# Altium PCB 脑电采集板V6.0.PcbDoc (part 1 of 2) (continued)
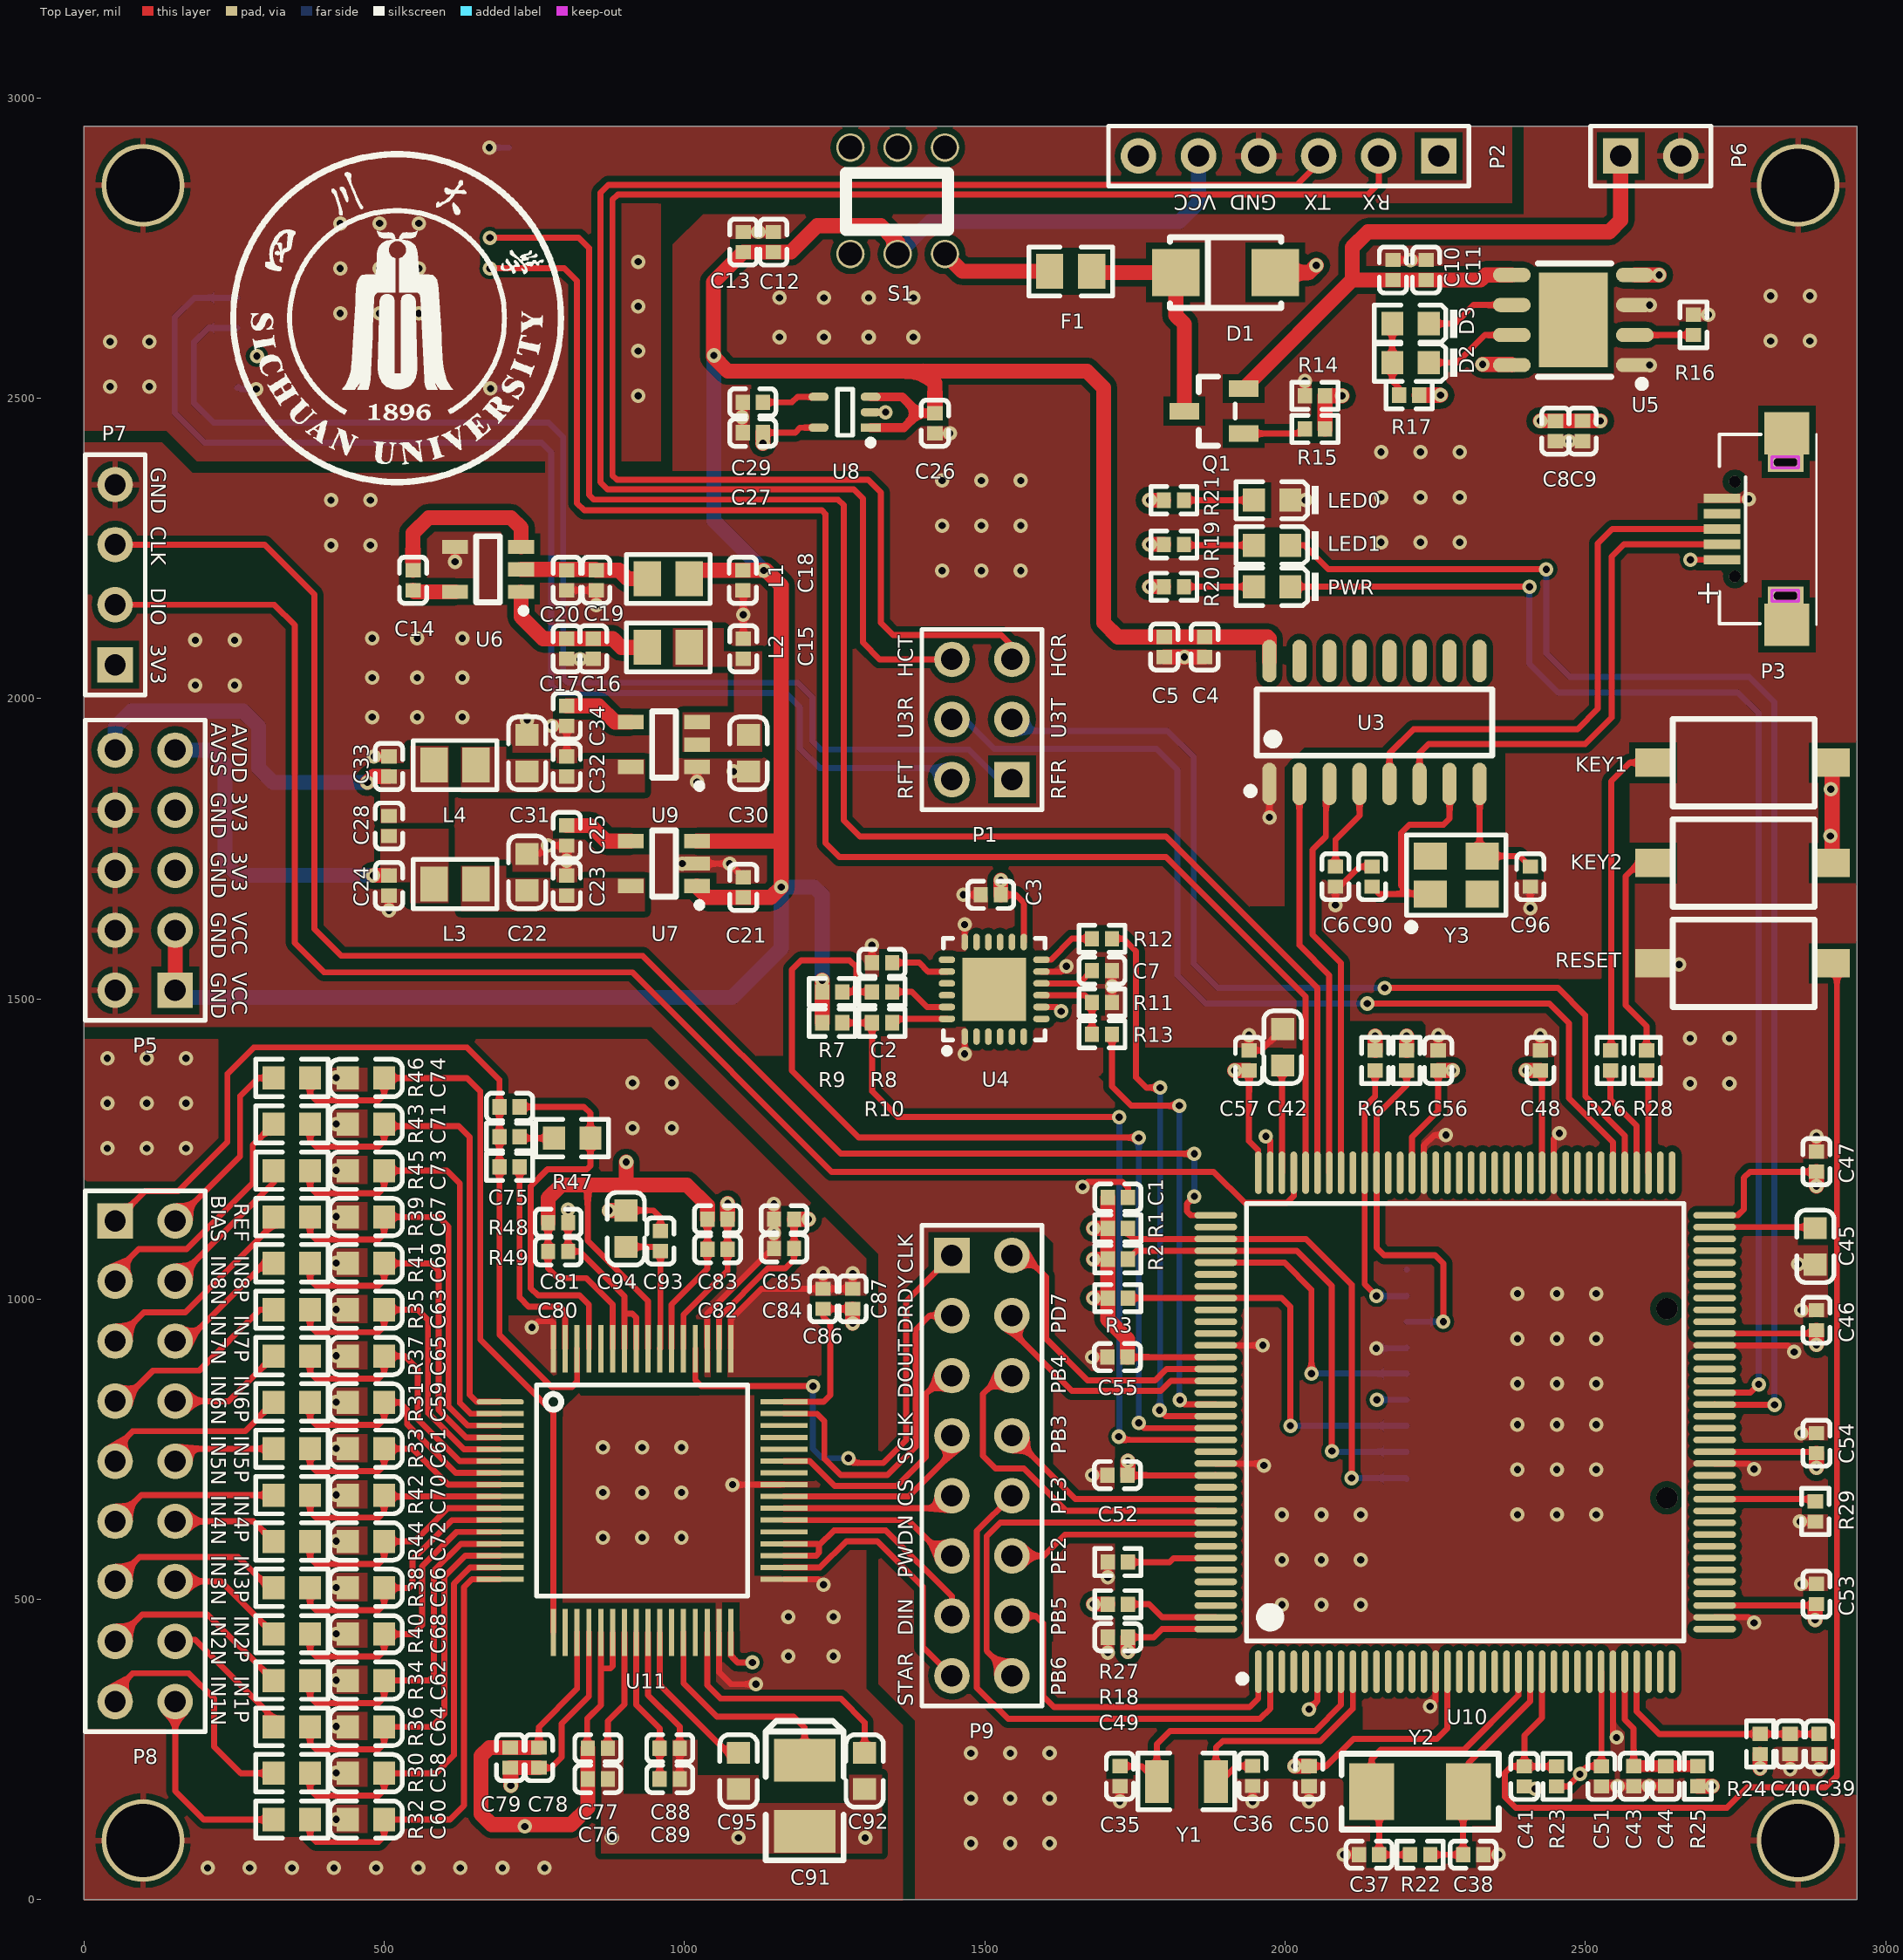
[diagram p0: Top Layer view]
## Footprints (in the part's own frame and the unit in brackets; to place one, negate y for a bottom-side part, rotate by r counter-clockwise, add the part's x,y. Pads: shape width x height; smd on the part's side, far side on the other; paste and mask are expansions set on the pad) (continued)
  rect 4x2.9 smd: 0(0,0)
  oval 0.6x1.6 smd: 1(-1.905,-2.6) 2(-0.635,-2.6) 3(0.635,-2.6) 4(1.905,-2.6) 5(1.905,2.6) 6(0.635,2.6) 7(-0.635,2.6) 8(-1.905,2.6)
  silkscreen extent -2.85,-3.05 2.4,1.5
SOT-23(SOT-23-3) [mm]
  rect 1.25x0.7 smd: 1(1.25,-0.95) 2(1.25,0.95) 3(-1.25,0)
  silkscreen extent -0.65,-1.46 0.9,1.46, body extent -1.5,-1.5 1.5,1.5, height 1.3
SOT-23-5 [mm]
  rect 1.1x0.6 smd: 1(1.4,-0.95) 2(1.4,0) 3(1.4,0.95) 4(-1.4,0.95) 5(-1.4,-0.95)
  silkscreen extent -0.5,-1.87 1.63,1.4
TF_1 [mm]
  round 0.9 hole 0.9 unplated: 0(-0.8,11) 0(7.2,11)
  rect 0.85x2 smd: 1(0,0)
  rect 0.8x2 smd: 2(1.15,0) 3(2.25,0) 4(3.35,0) 5(4.45,0) 6(5.55,0) 7(6.65,0) 8(7.75,0) 9(8.85,0)
  rect 1.5x2 smd: 10(-5.5,10.6) 12(10.45,1)
  rect 2x2 smd: 11(-4.8,1)
  rect 1.4x2 smd: 13(10,10.6)
  silkscreen extent -4.87,0.36 9.49,16, body extent -5.85,0 10.25,15, height 1.85

## Part data
C1 C3 C5 C6 C7 C8 C11 C12 C28 C46 C47 C48 C49 C50 C51 C52 C53 C54 C55 C56 C57 C89 C93: library part "0402 100nF (104) 10% 16V", "贴片电容", Package=0402, SuppliersPartNumber=C1525, ComponentLink1Description=供应商, ComponentLink1URL=http://www.szlcsc.com/product/details_1877.html, Supplier=LC
C2 C4 C9 C10 C13 C15 C17 C18 C20 C23 C24 C32 C33 C88: library part "0402 10uF (106) 20% 6.3V", "贴片电容", Package=0402, SuppliersPartNumber=C15525, ComponentLink1Description=供应商, ComponentLink1URL=http://www.szlcsc.com/product/details_16204.html, Supplier=LC
C14 C16 C19 C21 C25 C26 C27 C92 C94 C95: library part "0603 1uF (105) 10% 50V", "贴片电容", Package=0603, SuppliersPartNumber=C15849, ComponentLink1Description=供应商, ComponentLink1URL=http://www.szlcsc.com/product/details_16531.html, Supplier=LC
C22 C30 C31 C42 C45: library part "0603 2.2uF (225) 10% 16V", "贴片电容", Package=0603, SuppliersPartNumber=C23630, ComponentLink1Description=供应商, ComponentLink1URL=http://www.szlcsc.com/product/details_24366.html, Supplier=LC
C29 C34 C75: library part "0402 10nF (103) 10% 50V", "贴片电容", Package=0402, SuppliersPartNumber=C15195, ComponentLink1Description=供应商, ComponentLink1URL=http://www.szlcsc.com/product/details_15869.html, Supplier=LC
C35 C36: library part "0603 10pF (100) 5% 50V", "贴片电容", Package=0603, SuppliersPartNumber=C1634, ComponentLink1Description=供应商, ComponentLink1URL=http://www.szlcsc.com/product/details_1986.html, Supplier=LC
C37 C38: library part "0603 22pF (220) 5% 50V", "贴片电容", Package=0603, SuppliersPartNumber=C1653, ComponentLink1Description=供应商, ComponentLink1URL=http://www.szlcsc.com/product/details_2005.html, Supplier=LC
C39 C43: library part "0603 10uF (106) 10% 10V", "贴片电容", Package=0603, SuppliersPartNumber=C19702, ComponentLink1Description=供应商, ComponentLink1URL=http://www.szlcsc.com/product/details_20411.html, Supplier=LC
C40 C41 C44: library part "0603 100nF (104) 10% 50V", "贴片电容", Package=0603, SuppliersPartNumber=C14663, ComponentLink1Description=供应商, ComponentLink1URL=http://www.szlcsc.com/product/details_15331.html, Supplier=LC
C58 C59 C60 C61 C62 C63 C64 C65 C66 C67 C68 C69 C70 C71 C72 C73 C74: library part "0402 4.7nF (472) 10% 50V", "贴片电容", Package=0402, SuppliersPartNumber=C1538, ComponentLink1Description=供应商, ComponentLink1URL=http://www.szlcsc.com/product/details_1890.html, Supplier=LC
C76 C77 C78 C79 C80 C81 C82 C83 C84 C85 C86 C87: library part "0603 10nF (103) 10% 50V", "贴片电容", Package=0603, SuppliersPartNumber=C57112, ComponentLink1Description=供应商, ComponentLink1URL=http://www.szlcsc.com/product/details_58143.html, Supplier=LC
C90 C96: library part "0402 22pF (220) 5% 50V", "贴片电容", Package=0402, SuppliersPartNumber=C1555, ComponentLink1Description=供应商, ComponentLink1URL=http://www.szlcsc.com/product/details_1907.html, Supplier=LC
C91: library part "3528 100uF (107) 10% 6.3V", "钽电容", Package=3528, SuppliersPartNumber=C16133, ComponentLink1Description=供应商, ComponentLink1URL=http://www.szlcsc.com/product/details_16815.html, Supplier=LC
D1: library part "SMA(DO-214AC) SS210", "二极管", Package=SMA(DO-214AC), SuppliersPartNumber=C14996, ComponentLink1Description=供应商, ComponentLink1URL=http://www.szlcsc.com/product/details_15669.html, Supplier=LC
D2 LED0: library part "0603 红灯", "发光二极管", Package=0603, SuppliersPartNumber=C2286, ComponentLink1Description=供应商, ComponentLink1URL=http://www.szlcsc.com/product/details_2659.html, Supplier=LC
D3 LED1 PWR: library part "0603 绿灯", "发光二极管", Package=0603, SuppliersPartNumber=C72043, ComponentLink1Description=供应商, ComponentLink1URL=http://www.szlcsc.com/product/details_73152.html, Supplier=LC
F1: library part "Fuse 2", "Fuse", LatestRevisionDate=17-Jul-2002, LatestRevisionNote="Re-released for DXP Platform.", PackageDescription="Thru-Hole; 2 Leads", PackageReference=PIN-W2/E2.8, Published=8-Jun-2000, Publisher="Altium Limited"
KEY1 KEY2 RESET S1: "Switch", LatestRevisionDate=17-Jul-2002, LatestRevisionNote="Re-released for DXP Platform.", PackageDescription="Switch; 2 Leads", PackageReference=SPST-2, Published=24-Mar-1999, Publisher="Altium Limited"
L1 L2 L3 L4: library part "0805 3.3uH10%", "贴片电感", Package=0805, SuppliersPartNumber=C51725, ComponentLink1Description=供应商, ComponentLink1URL=http://www.szlcsc.com/product/details_52738.html, Supplier=LC
P1: library part "Header 3X2", "Header, 3-Pin, Dual row", LatestRevisionDate=17-Jul-2002, LatestRevisionNote="Re-released for DXP Platform.", Publisher="Altium Limited"
P2: library part "Header 6", "Header, 6-Pin", LatestRevisionDate=17-Jul-2002, LatestRevisionNote="Re-released for DXP Platform.", Publisher="Altium Limited"
P3: library part "Header 5", "Header, 5-Pin", LatestRevisionDate=17-Jul-2002, LatestRevisionNote="Re-released for DXP Platform.", Publisher="Altium Limited"
P5: library part "Header 5X2", "Header, 5-Pin, Dual row", LatestRevisionDate=17-Jul-2002, LatestRevisionNote="Re-released for DXP Platform.", Publisher="Altium Limited"
P6: library part "Header 2", "Header, 2-Pin", LatestRevisionDate=17-Jul-2002, LatestRevisionNote="Re-released for DXP Platform.", Publisher="Altium Limited"
P7: library part "Header 4", "Header, 4-Pin", LatestRevisionDate=17-Jul-2002, LatestRevisionNote="Re-released for DXP Platform.", Publisher="Altium Limited"
P8: "Header, 9-Pin, Dual row", LatestRevisionDate=17-Jul-2002, LatestRevisionNote="Re-released for DXP Platform.", Publisher="Altium Limited"
P9: "Header, 8-Pin, Dual row", LatestRevisionDate=17-Jul-2002, LatestRevisionNote="Re-released for DXP Platform.", Publisher="Altium Limited"
Q1: "MOS(场效应管)", Package=SOT-23(SOT-23-3), SuppliersPartNumber=C8492, ComponentLink1Description=供应商, ComponentLink1URL=http://www.szlcsc.com/product/details_8986.html, Supplier=LC
R1 R2 R3 R5 R6: library part "0402 47KΩ (4702) 1%", "贴片电阻", Package=0402, SuppliersPartNumber=C25792, ComponentLink1Description=供应商, ComponentLink1URL=http://www.szlcsc.com/product/details_26535.html, Supplier=LC
R7 R9: library part "0402 4.7KΩ (4701) 1%", "贴片电阻", Package=0402, SuppliersPartNumber=C25900, ComponentLink1Description=供应商, ComponentLink1URL=http://www.szlcsc.com/product/details_26643.html, Supplier=LC
R8 R10 R12 R13: library part "0402 120Ω (1200) 1%", "贴片电阻", Package=0402, SuppliersPartNumber=C25079, ComponentLink1Description=供应商, ComponentLink1URL=http://www.szlcsc.com/product/details_25822.html, Supplier=LC
R11: library part "0402 10KΩ (1002) 1%", "贴片电阻", Package=0402, SuppliersPartNumber=C25744, ComponentLink1Description=供应商, ComponentLink1URL=http://www.szlcsc.com/product/details_26487.html, Supplier=LC
R14 R15: library part "0402 100KΩ (1003) 1%", "贴片电阻", Package=0402, SuppliersPartNumber=C25741, ComponentLink1Description=供应商, ComponentLink1URL=http://www.szlcsc.com/product/details_26484.html, Supplier=LC
R16: library part "0402 1.2KΩ (1201) 1%", "贴片电阻", Package=0402, SuppliersPartNumber=C25862, ComponentLink1Description=供应商, ComponentLink1URL=http://www.szlcsc.com/product/details_26605.html, Supplier=LC
R17: library part "0402 1KΩ (1001) 1%", "贴片电阻", Package=0402, SuppliersPartNumber=C11702, ComponentLink1Description=供应商, ComponentLink1URL=http://www.szlcsc.com/product/details_12256.html, Supplier=LC
R18: library part "0603 0Ω (0R0) 1%", "贴片电阻", Package=0603, SuppliersPartNumber=C21189, ComponentLink1Description=供应商, ComponentLink1URL=http://www.szlcsc.com/product/details_21903.html, Supplier=LC
R19 R20: library part "0603 510Ω (5100) 1%", "贴片电阻", Package=0603, SuppliersPartNumber=C23193, ComponentLink1Description=供应商, ComponentLink1URL=http://www.szlcsc.com/product/details_23920.html, Supplier=LC
R21: library part "0603 1KΩ (1001) 1%", "贴片电阻", Package=0603, SuppliersPartNumber=C21190, ComponentLink1Description=供应商, ComponentLink1URL=http://www.szlcsc.com/product/details_21904.html, Supplier=LC
R22: library part "0603 1.2MΩ (1204) 1%", "贴片电阻", Package=0603, SuppliersPartNumber=C22766, ComponentLink1Description=供应商, ComponentLink1URL=http://www.szlcsc.com/product/details_23493.html, Supplier=LC
R23 R24 R25 R26 R27 R28 R29: library part "0603 10Ω (10R0) 1%", "贴片电阻", Package=0603, SuppliersPartNumber=C22859, ComponentLink1Description=供应商, ComponentLink1URL=http://www.szlcsc.com/product/details_23586.html, Supplier=LC
R30 R31 R32 R33 R34 R35 R36 R37 R38 R39 R40 R41 R42 R43 R44 R45 R46: library part "0603 4.99KΩ (4991) 1%", "贴片电阻", Package=0603, SuppliersPartNumber=C23046, ComponentLink1Description=供应商, ComponentLink1URL=http://www.szlcsc.com/product/details_23773.html, Supplier=LC
R47: library part "0603 390KΩ (3903) 1%", "贴片电阻", Package=0603, SuppliersPartNumber=C23150, ComponentLink1Description=供应商, ComponentLink1URL=http://www.szlcsc.com/product/details_23877.html, Supplier=LC
R48: library part "0402 2KΩ (2001) 1%", "贴片电阻", Package=0402, SuppliersPartNumber=C4109, ComponentLink1Description=供应商, ComponentLink1URL=http://www.szlcsc.com/product/details_4516.html, Supplier=LC
R49: library part "0402 0Ω (0R0) 1%", "贴片电阻", Package=0402, SuppliersPartNumber=C17168, ComponentLink1Description=供应商, ComponentLink1URL=http://www.szlcsc.com/product/details_17853.html, Supplier=LC
U3: library part CH340G_[C14267], "USB", Package=SOIC-16_150mil, SuppliersPartNumber=C14267, ComponentLink1Description=供应, ComponentLink1URL=http://www.szlcsc.com/product/details_14927.html, Supplier=LC
U4: library part MPU-6050_[C24112], "传感器", Package=QFN-24_4x4x05P, SuppliersPartNumber=C24112, ComponentLink1Description=供应商, ComponentLink1URL=http://www.szlcsc.com/product/details_24852.html, Supplier=LC
U5: library part TP4056_[C16581], "电池电源管理", Package=SOP-8_EP_150mil, SuppliersPartNumber=C16581, ComponentLink1Description=供应商, ComponentLink1URL=http://www.szlcsc.com/product/details_17264.html, Supplier=LC
U10: "ARM", Package=LQFP-144_20x20x05P, SuppliersPartNumber=C46525, ComponentLink1Description=供应商, ComponentLink1URL=http://www.szlcsc.com/product/details_47529.html, Supplier=LC
Y1: library part "SMD-3215_2P 32.768KHz 20ppm 12.5pF", "贴片晶振", Package=SMD-3215_2P, SuppliersPartNumber=C32346, ComponentLink1Description=供应商, ComponentLink1URL=http://www.szlcsc.com/product/details_33310.html, Supplier=LC
Y2: library part "SMD-5032_2P 8MHz 20ppm 20pF", "贴片晶振", Package=SMD-5032_2P, SuppliersPartNumber=C115962, ComponentLink1Description=供应商, ComponentLink1URL=http://www.szlcsc.com/product/details_117214.html, Supplier=LC
Y3: library part "SMD-3225_4P  12MHZ 20PF 10PPM", "贴片晶振", Package=SMD-3225_4P, SuppliersPartNumber=C9002, ComponentLink1Description=供应, ComponentLink1URL=http://www.szlcsc.com/product/details_9522.html, Supplier=LC

## Free pads (board coordinates)
  round 137.8 hole 122.05: 14(98.43,98.43) 14(98.43,2854.33) 14(2854.33,98.43) 14(2854.33,2854.33)

## Via types
v1: diameter 24, hole 12, Top Layer to Bottom Layer, tented both sides, 321 vias

## Nets (pads, with @x,y where several pads share a name; then routed paths per layer and width w, separated by ;. In a path a pad name is that pad's centre, name@x,y a point inside that pad or via, vN(x,y) a via of type N, cw(c..) or ccw(c..) an arc to the next point about the centre after c; other vN are vias at no path point)
-VCC: C15.2 C30.2 L2.2 U9.2 U9.3
AGND: C1.1 C2.2 C3.2 C4.2 C5.2 C6.2 C7.1 C8.1 C9.1 C10.1 C11.1 C12.1 C13.1 C15.1 C16.1 C17.1 C18.1 C19.1 C20.1 C21.1 C22.1 C23.1 C24.1 C25.1 C26.1 C27.1 C29.1 C30.1 C31.1 C32.1 C33.1 C34.1 C35.1 C36.1 C37.1 C38.1 C39.2 C40.2 C41.1 C42.1 C43.1 C44.1 C45.1 C46.1 C47.1 C48.1 C49.1 C50.1 C51.1 C52.1 C53.1 C54.1 C55.1 C56.1 C57.1 C58.1 C59.1 C60.2 C61.2 C62.1 C63.1 C64.2 C65.2 C66.1 C67.1 C68.2 C69.2 C70.1 C71.1 C72.2 C73.2 C74.1 C84.2 C85.2 C86.2 C87.2 C90.1 C96.1 LED0.K P2.4 P3.5 P5.2 P5.4 P5.6 P5.8 P6.2 P7.4 pad.14 R11.2 R14.2 R16.1 R27.1 R29.1 RESET.2 U1.1 U1.9 U1.16 U2.6 U3.1 U4.1 U4.11 U4.18 U5.1 U5.3 U6.4 U7.2 U8.2 U9.1 U10.16 U10.31 U10.38 U10.51 U10.61 U10.83 U10.94 U10.107 U10.120 U10.130 U11.31 U11.33 U11.41 U11.49 U11.51 U11.64 | length 4380.6
  Top Layer w10: v1(483.11,1903.46) C33.1@507.96,1903.46 ; v1(507.96,1647) C24.1@507.96,1671.85 ; v1(617.88,2227.55) U6.4@617.88,2252.4 ; C22.1@737.96,1740.95 758.79,1740.95 v1(772.84,1755) C25.1@804.02,1755 v1(804.02,1730.16) C23.1@804.02,1705.31 ; C31.1@737.96,1939.09 v1(737.96,1963.95) ; v1(746,953) 756,963 779,963 781.84,960.16 U11.64@781.84,917.44 ; v1(779.17,1954.21) C34.1@804.02,1954.21 C32.1@804.02,1903.46 ; C17.1@804.02,2065.91 C16.1@847.96,2065.91 ; C20.1@804.02,2180 C19.1@853,2180 v1(853,2155.15) ; v1(996.08,1725) U7.2@1020.93,1725 v1(1075.15,1725) C21.1@1098,1702.15 ; v1(1020.93,1860.9) U9.1@1020.93,1885.75 ; U11.51@1037.74,917.44 1037.74,975.74 1146.57,1084.57 C84.2@1149.05,1084.57 v1(1149.05,1110.09) C85.2@1149.05,1133 v1(1149.05,1158.52) ; U11.31@1057.43,445 1057.43,378.58 1077,359 v1(1119,359) ; U11.49@1077.11,917.44 1077.11,966.48 1127.82,1017.2 C86.2@1231,1017.2 ; v1(1080,691) 1080.06,691.06 U11.41@1165.69,691.06 ; v1(1081.61,1878.46) C30.1@1106.46,1878.46 ; C18.1@1097,2180 1098,2179 v1(1098,2139.19) C15.1@1098,2099.37 ; C27.1@1097.02,2442.5 C29.1@1097.02,2493 ; C13.1@1098,2776.54 v1(1122.96,2776.54) 1147.92,2776.54 C12.1@1148,2776.46 ; U11.33@1165.69,533.58 1222.14,533.58 v1(1231.34,524.39) ; v1(1231,1042.72) C86.2@1231,1017.2 ; v1(1280,1042.72) C87.2@1280,1017.2 C86.2@1231,1017.2 ; U8.2@1310,2476.51 v1(1334.85,2476.51) ; v1@1312,1581 v1@1312.27,1581.27 ; C2.2@1312.27,1560 v1@1312.27,1581.27 ; v1(1312.27,1589) v1@1312.27,1581.27 ; C26.1@1417,2441.51 v1(1441.85,2441.51) ; v1(1464.27,1673) v1@1472,1673 ; v1@1466.27,1615.49 v1@1466.54,1615.76 ; v1(1466.54,1408.01) v1@1466.54,1415.74 ; U4.1@1466.54,1437.01 v1@1466.54,1415.74 ; U4.18@1466.54,1594.49 v1@1466.54,1615.76 ; v1(1466.54,1623.49) v1@1466.54,1615.76 ; v1@1466.8,1416.01 v1@1466.54,1415.74 ; v1@1472.27,1672.73 v1@1472,1673 ; C3.2@1493.27,1673 v1@1472,1673 ; U4.11@1594.49,1545.28 1627.28,1545.28 v1(1636,1554) ; v1(1663,1187) 1671,1195 1729,1195 1738.46,1185.54 C1.1@1738.46,1169 C1.1@1741.46,1172 ; v1(1678.75,707) C52.1@1704.27,707 ; v1(1678.75,903.27) C55.1@1704.27,903.27 ; v1(1705,411.48) C49.1@1705,437 ; v1(1705,536.48) R27.1@1705,562 ; R11.2@1712,1494 v1(1712,1520.5) C7.1@1712,1547 ; v1(1725,163.42) C35.1@1725,188.94 ; U10.130@1884.65,726.1 1961.9,726.1 v1(1965,723) ; U10.120@1884.65,922.95 v1(1963.05,922.95) ; v1(1940,1439.52) C57.1@1940,1414 1960.37,1414 C42.1@1996,1449.63 ; v1(1946,163.75) C36.1@1946,189.27 ; v1(1968,1271) 1975.2,1263.8 U10.107@1975.2,1210.35 ; v1(1974,1802) U3.1@1974,1857.64 ; LED0.K@2008.93,2330 v1(2033.78,2330) ; R14.2@2033.2,2504 v1(2033.2,2528.85) ; v1(2040,163.42) C50.1@2040,188.94 ; v1(2084,1656) C6.2@2084,1686.54 2090.7,1686.54 2124.16,1720 C90.1@2145,1720 ; v1(2097.75,75) C37.1@2123.27,75 ; C10.1@2179.61,2730 v1(2209,2730) C11.1@2234.73,2730 ; U10.94@2231.1,1210.35 2231.1,1255.8 2248.3,1273 v1(2268,1273) ; v1(2241.39,322) 2250.79,331.4 U10.16@2250.79,379.65 ; C56.1@2255,1414 v1(2255,1439.52) ; C38.1@2330,75 v1(2355.52,75) ; C41.1@2398.52,188.54 2402.46,184.6 v1(2416.52,184.6) ; v1(2408.27,1651) C96.1@2408.27,1686.54 ; C48.1@2425,1414 v1(2425,1439.52) ; U10.83@2447.64,1210.35 2447.64,1266.8 v1(2456.83,1276) ; C8.1@2450.27,2428.44 v1(2472.75,2428.44) 2495.23,2428.44 C9.1@2495.27,2428.48 ; C51.1@2526.96,188.94 v1(2553.7,188.94) C43.1@2580.44,188.94 C44.1@2633.92,188.94 ; U10.31@2546.06,379.65 2546.06,275.94 v1(2552,270) ; U5.1@2582.36,2555 v1(2607.21,2555) ; U5.3@2582.36,2655 v1(2607.21,2655) ; RESET.2@2613,1559 2615,1557 v1(2656,1557) ; R16.1@2680,2638.73 v1(2704.85,2638.73) ; U10.38@2715.35,470.2 2771.8,470.2 v1(2781,461) ; U10.51@2715.35,726.1 2771.8,726.1 v1(2781,716.91) ; U10.61@2715.35,922.95 2837.05,922.95 v1(2848,912) ; P3.5@2727.39,2333.18 2728.57,2332 v1(2772,2332) ; v1(2841,217.02) C40.2@2841,242.54 ; v1(2854.48,1058) C45.1@2880,1058 ; v1(2857.48,629.54) R29.1@2883,629.54 ; v1(2859.48,525.73) C53.1@2885,525.73 ; v1(2859.48,776.73) C54.1@2885,776.73 ; v1(2859.48,981.46) C46.1@2885,981.46 ; C47.1@2885,1245.46 v1(2885,1270.98) ; v1(2889.43,217.02) C39.2@2889.43,242.54
  Top Layer w25: C5.2@1799,2069 C4.2@1866,2069
  Bottom Layer w10: U1.16@255.24,2517 257.24,2519 261.24,2515 v1(287,2515) ; v1(675,2917) U1.1@708,2917 ; v1(677,2516) 707,2516 U1.9@708,2517 ; v1(2152,918) 2201.89,918 U2.6@2202.93,919.04
  other v1: 206,53 276.12,53 346.25,53 416.38,53 486.5,53 556.62,53 626.75,53 696.88,53 767,53 1477,94 1542.5,94 1608,94 420,134 1477,169 1542.5,169 1608,169 2606,189.27 420,211.17 1477,244 1542.5,244 1608,244 420,288.33 420,365.5 1173,405.5 1248,405.5 420,442.67 1173,471 1248,471 1995,491 2060.5,491 2126,491 420,519.83 1995,566 2060.5,566 2126,566 420,597 864,603 929.5,603 995,603 1995,641 2060.5,641 2126,641 2387,641.08 2452.5,641.08 2518,641.08 420,674.17 864,678 929.5,678 995,678 2387,716.08 2452.5,716.08 2518,716.08 420,751.33 864,753 929.5,753 995,753 2387,791.08 2452.5,791.08 2518,791.08 420,828.5 2387,859.04 2452.5,859.04 2518,859.04 420,905.66 2387,934.04 2452.5,934.04 2518,934.04 420,982.83 2387,1009.04 2452.5,1009.04 2518,1009.04 420,1060 420,1137.16 420,1214.33 39,1251 104.5,1251 170,1251 913.5,1285 979,1285 420,1291.5 39,1326 104.5,1326 170,1326 2674.5,1359.02 2740,1359.02 913.5,1360 979,1360 420,1368.66 39,1401 104.5,1401 170,1401 2674.5,1434.02 2740,1434.02 480,1969 555,1969 630,1969 185.5,2022.02 251,2022.02 480,2034.5 555,2034.5 630,2034.5 826,2065 1832.5,2069 185.5,2097.02 251,2097.02 480,2100 555,2100 630,2100 1429,2212.73 1494.5,2212.73 1560,2212.73 411.5,2255 477,2255 2160,2260 2225.5,2260 2291,2260 1429,2287.73 1494.5,2287.73 1560,2287.73 411.5,2330 477,2330 2160,2335 2225.5,2335 2291,2335 1429,2362.73 1494.5,2362.73 1560,2362.73 2160,2410 2225.5,2410 2291,2410 1096,2468 923,2504 43.5,2519 109,2519 923,2578.33 43.5,2594 109,2594 2808.5,2595 2874,2595 1158,2601.5 1232.33,2601.5 1306.67,2601.5 1381,2601.5 426.78,2641 492.28,2641 557.78,2641 923,2652.67 1158,2667 1232.33,2667 1306.67,2667 1381,2667 2808.5,2670 2874,2670 426.78,2716 492.28,2716 557.78,2716 923,2727 426.78,2791 492.28,2791 557.78,2791
AVDD: C24.2 C28.2 C76.1 C77.1 C78.1 C79.1 C80.1 C81.1 C82.1 C83.1 L3.2 P5.9 U11.19 U11.21 U11.22 U11.54 U11.56 U11.59 | length 2756.9
  Top Layer w10: C78.1@757.68,253.19 757.68,287.68 821.2,351.2 U11.19@821.2,445 ; C81.1@772.84,1127.26 C80.1@772.84,1079.41 772.84,1051.16 789,1035 836,1035 880.26,990.74 U11.59@880.26,917.44 ; C77.1@838.95,252.21 837.97,253.19 837.97,300.97 860.57,323.58 860.57,385 ; 839,1190 839,1097.1 939.32,996.78 U11.56@939.32,917.44 ; U11.21@860.57,445 860.57,385 ; U11.22@880.26,445 880.26,389.26 876,385 860.57,385 ; U11.54@978.68,917.44 978.68,990.68 1038.27,1050.27 C82.1@1038.27,1083 C83.1@1038.27,1133
  Top Layer w25: v1(481.68,1705.32) C24.2@507.96,1705.32 ; C78.1@757.68,253.19 C79.1@709.81,253.19 675.19,253.19 661,239 661,143 679,125 811,125 838.95,152.95 C76.1@838.95,201 C77.1@838.95,252.21 ; C81.1@772.84,1127.26 772.84,1167.84 795,1190 839,1190 903,1190 ; v1(903,1228) 903,1190 ; C83.1@1038.27,1133 1038.27,1155.73 1004,1190 903,1190
  Bottom Layer w25: P5.9@152,1914 211,1914 235,1890 235,1727 256.68,1705.32 v1(481.68,1705.32)
  other v1: 734,122
AVSS: C28.1 C33.2 C76.2 C77.2 C78.2 C79.2 C80.2 C81.2 C82.2 C83.2 C88.1 C89.2 C91.2 C92.1 C93.1 C94.1 C95.1 L4.2 P5.10 U11.20 U11.23 U11.25 U11.32 U11.53 U11.57 U11.58 | length 2241.2
  Top Layer w10: C78.2@757.68,219.72 778,219.72 795.37,237.1 795.37,293.37 840.89,338.89 U11.20@840.89,445 ; v1(806.31,1149) C81.2@806.31,1127.26 C80.2@806.31,1079.41 825.59,1079.41 899.95,1005.05 899.95,976 ; C77.2@872.42,252.21 872.42,297.42 899.95,324.94 U11.23@899.95,445 ; U11.58@899.95,917.44 899.95,976 ; C94.1@902.36,1147.52 948.09,1147.52 960,1135.61 C93.1@960,1113.46 ; U11.57@919.63,917.44 919.63,969.37 913,976 899.95,976 ; U11.25@939.32,445 939.32,340.68 992.15,287.85 C88.1@992.15,252.2 C89.2@992.15,201 ; U11.53@998.37,917.44 998.37,973.37 1071.73,1046.73 C82.2@1071.73,1083 C83.2@1071.73,1133 ; U11.32@1077.11,445 1077.11,406.35 1088.46,395 v1(1113,395)
  Top Layer w25: v1(472,1860) 482,1870 C33.2@507.96,1870 ; v1(711,190) 711,212.54 714,215.54 C79.2@709.81,219.72 C78.2@757.68,219.72 ; v1(874.52,1147.52) C94.1@902.36,1147.52 ; C83.2@1071.73,1133 1071.73,1158.73 v1(1072,1159)
  Bottom Layer w25: P5.10@52,1914 52,1952 79,1979 265,1979 291,1953 291,1884 315,1860 v1(472,1860)
  other v1: 879,103 1090,103 1301,103
BOOT0: R27.2 U10.138 | length 148.9
  Top Layer w10: R27.2@1738.46,562 1807.88,562 1814.5,568.62 U10.138@1884.65,568.62
BOOT1: R29.2 U10.48 | length 169.3
  Top Layer w10: U10.48@2715.35,667.05 2878.95,667.05 R29.2@2883,663
DVDD: C1.2 C3.1 C27.2 C46.2 C47.2 C48.2 C49.2 C50.2 C51.2 C52.2 C53.2 C54.2 C55.2 C56.2 C57.2 C84.1 C85.1 C86.1 C87.1 KEY1.1 KEY2.1 P5.5 P5.7 P7.1 R1.2 R2.2 R3.2 R5.2 R6.2 R18.1 R19.1 R20.1 R21.1 R23.1 R24.1 R25.2 U1.17 U2.4 U4.8 U4.13 U8.5 U10.6 U10.17 U10.30 U10.39 U10.52 U10.62 U10.72 U10.84 U10.95 U10.108 U10.121 U10.131 U10.144 U11.48 U11.50 | length 4287.5
  Top Layer w10: U11.50@1057.43,917.44 1057.43,969.43 1139.16,1051.16 1167.89,1051.16 1182.52,1065.79 C84.1@1182.52,1084.57 C85.1@1182.52,1133 ; C27.2@1130.48,2442.5 1184.5,2442.5 1192.92,2450.92 U8.5@1223.39,2450.92 ; U11.48@1165.69,828.86 1231.86,828.86 1243,840 1243,959 1231,971 C86.1@1231,983.73 C87.1@1280,983.73 ; C3.1@1526.73,1673 1552,1673 1564.96,1660.04 U4.13@1564.96,1594.49 ; U4.8@1594.49,1486.22 1620.06,1486.22 v1(1627.28,1479) ; C52.2@1737.73,707 1738.32,706.42 U10.131@1884.65,706.42 U10.131@1884.06,707 ; C55.2@1737.73,903.27 1811.27,903.27 U10.121@1884.65,903.27 ; C49.2@1738.46,437 1781.49,437 1795,450.51 U10.144@1884.65,450.51 ; C57.2@1940,1380.54 1940,1263 1955.51,1247.49 U10.108@1955.51,1210.35 ; C50.2@2040,222.4 2068.4,222.4 2114,268 2253,268 2270.47,285.47 U10.17@2270.47,379.65 ; v1(2040,317) 2053.94,330.94 U10.6@2053.94,379.65 ; U10.95@2211.42,1210.35 2211.42,1269.75 2255,1313.33 C56.2@2255,1380.54 ; C48.2@2425,1380.54 2427.95,1377.58 U10.84@2427.95,1210.35 ; R23.1@2452,188.54 2470.54,188.54 v1(2491,209) 2504.4,222.4 2526.96,222.4 2526.96,379.06 U10.30@2526.38,379.65 ; U10.39@2715.35,489.88 2882.61,489.88 C53.2@2885,492.27 ; U10.52@2715.35,745.79 2882.48,745.79 C54.2@2885,743.27 ; U10.62@2715.35,942.64 2879.64,942.64 C46.2@2885,948 ; U10.72@2715.35,1139.49 2753.97,1139.49 2764,1149.52 2764,1202 2774,1212 C47.2@2885,1212
  Top Layer w25: v1(1130.48,2424.52) C27.2@1130.48,2442.5 ; C85.1@1182.52,1133 v1(1206.52,1133) ; v1(1280,959.73) C87.1@1280,983.73 ; C3.1@1526.73,1673 v1(1526.73,1697) ; v1(1681,492) R18.1@1705,492 ; v1(1681,1001.69) R3.2@1705,1001.69 ; v1(1681,1066.46) R2.2@1705,1066.46 ; v1(1681,1117.58) R1.2@1705,1117.58 ; C1.2@1705,1169 R1.2@1705,1117.58 ; C55.2@1737.73,903.27 1737.73,933.27 1705,966 R3.2@1705,1001.69 ; C52.2@1738.32,706.42 v1(1738.32,730.42) ; v1(1738.46,413) C49.2@1738.46,437 ; v1(1774.27,2186) R20.1@1798.27,2186 ; v1(1774.27,2256.41) R19.1@1798.27,2256.41 ; v1(1774.27,2330) R21.1@1798.27,2330 ; v1(1916,1380.54) C57.2@1940,1380.54 ; v1(2016,222.4) C50.2@2040,222.4 ; R6.2@2150,1414 v1(2150,1438) ; R5.2@2202.5,1414 v1(2202.5,1438) ; C56.2@2255,1380.54 v1(2279,1380.54) ; v1(2401,1380.54) C48.2@2425,1380.54 ; R25.2@2687.4,188.94 v1(2711.4,188.94) ; v1(2791,218.54) R24.1@2791,242.54 ; v1(2882.61,465.88) C53.2@2882.61,489.88 ; v1(2885,719.27) C54.2@2885,743.27 ; v1(2885,924) C46.2@2885,948 ; v1(2885,1188) C47.2@2885,1212 ; KEY2.1@2911,1726 KEY1.1@2911,1893 ; R3.2@1705,1001.69 R2.2@1705,1066.46 ; R2.2@1705,1066.46 R1.2@1705,1117.58
  Bottom Layer w10: v1(2153.04,832.43) U2.4@2202.93,832.43
  other v1: 2908,1770.93 2909,1849 288,2570
HC05_RX: P1.5 P2.2 | length 2724.4
  Top Layer w10: P1.5@1545.28,2065 1545.28,2087.72 1527.47,2105.53 1347.47,2105.53 1327,2126 1327,2343 1306,2364 887.45,2364 880,2371.45 880,2830 889,2839 2138,2839 2156,2857 P2.2@2156,2903